# KiCad board SenseBarnacle.kicad_pcb (continued)
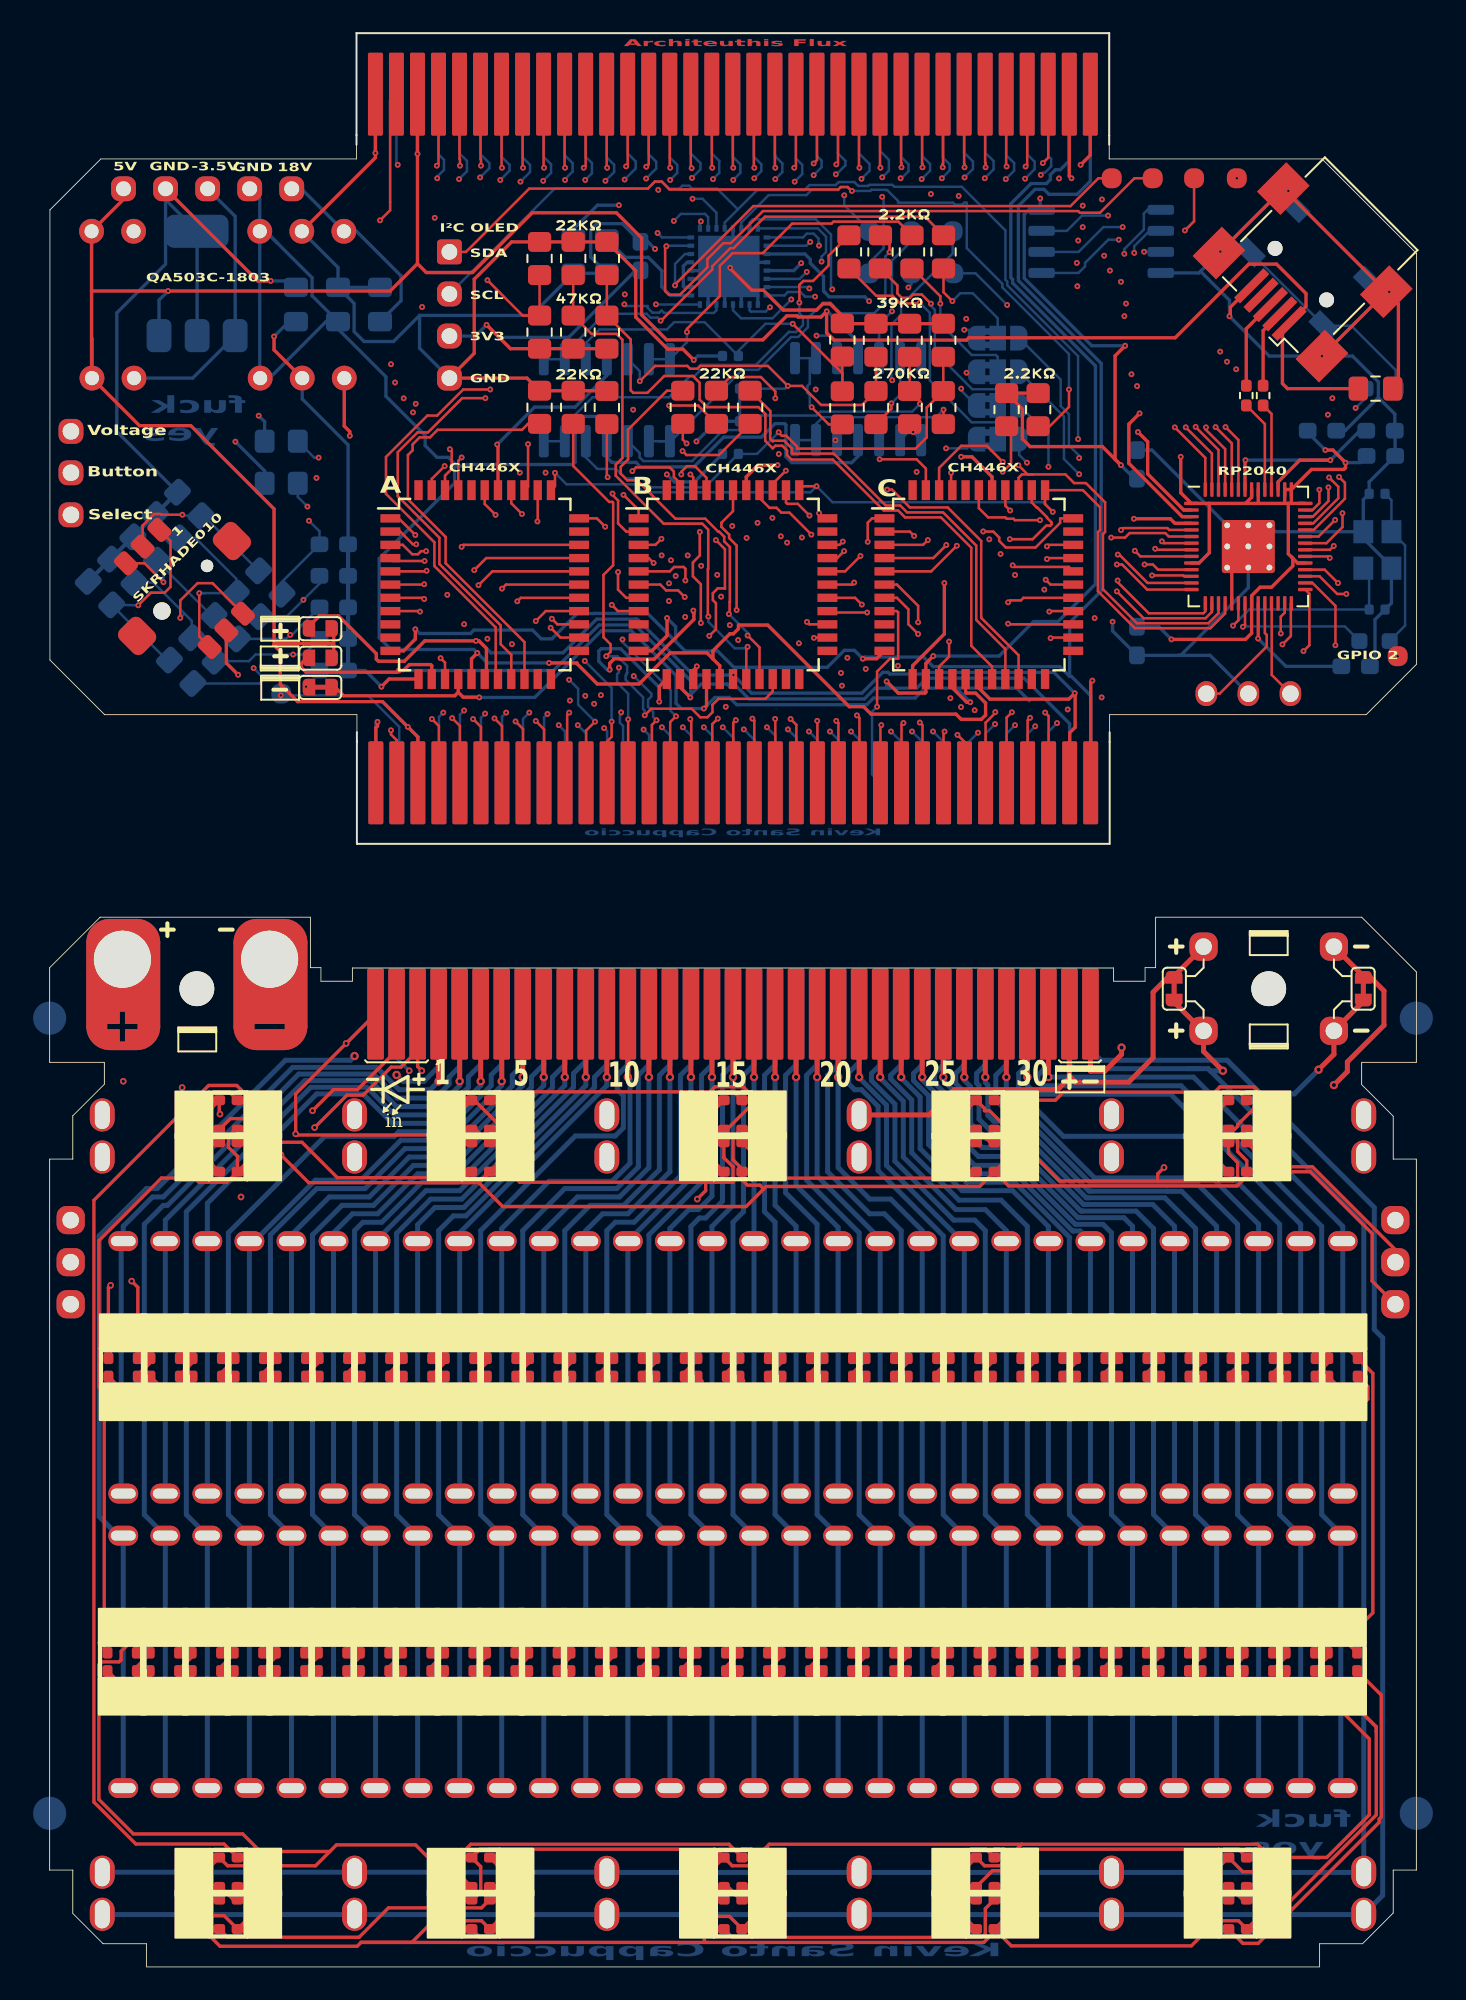
[diagram p0: board, top side]
## Routing (per net, layer and track width the routed paths; a pad name or vN(x,y) marks a point on that pad's centre or on a via; arc(x,y) is an arc through that point) (continued)
  In2.Cu w0.15: v3(36.98,74.84) 37.29,75.15 37.29,75.69 37.65,76.05 37.65,78.82 37.45,79.02 37.45,80.84 37.74,81.14 37.74,81.79 38.15,82.2 38.57,82.2 39.42,83.06 39.42,84.52 v3(39.35,84.59) 39.35,85 36.78,87.57 36.78,93.96 36.92,94.09 36.92,94.37 37.37,94.83 37.37,96.4 37.46,96.49 37.46,97.76 37.09,98.12 37.09,98.4 36.22,99.28 36.22,100.06 36.12,100.17 36.12,100.98 36.22,101.08 36.22,103.32 36.04,103.5 36.04,103.94 36.22,104.11 36.22,104.94 37.48,106.2 v3(37.48,107.88)
  Bottom w0.15: J6.12 37.46,109.26 37.45,109.25 37.91,108.8 37.91,108.31 v3(37.48,107.88) ; J7.12 37.48,74.34 v3(36.98,74.84)
43: length 67.8
  Top w0.15: U15.29 61.56,84.52 58.26,84.52 v3(58.17,84.62)
  In1.Cu w0.15: v3(58.17,84.62) 49.34,84.62 49.3,84.65 46.34,84.65 45.96,84.28 40.56,84.28 v3(40.32,84.04)
  In2.Cu w0.15: v3(38.79,108.01) 38.92,107.88 38.92,107.37 39.33,106.96 39.33,106.54 39.04,106.25 38.92,106.25 38.7,106.03 38.7,101.7 38.99,101.4 38.99,97.64 39.43,97.21 39.43,96.79 39.23,96.59 39.23,92.6 39.57,92.26 39.57,91.89 39.38,91.7 39.38,89.87 38.57,89.07 38.57,86.73 40.6,84.7 40.6,84.43 40.32,84.15 v3(40.32,84.04) 40.09,83.81 40.09,82.3 39.75,81.95 39.6,81.95 39.19,81.55 39.14,81.55 38.91,81.31 38.91,81.14 38.05,80.27 38.05,79.27 38.26,79.05 38.26,74.85 v3(38.24,74.84)
  Bottom w0.15: v3(38.24,74.84) 38.75,74.33 J7.13 ; J6.13 38.73,109.48 39.31,108.9 39.31,108.52 v3(38.79,108.01)
44: length 67.5
  Top w0.15: v3(60.16,83.75) 60.45,83.45 U15.28
  In1.Cu w0.15: v3(60.16,83.75) 60.03,83.62 59.75,83.62 59.26,83.12 46.15,83.12 45.69,82.67 41.11,82.67 41.05,82.72 40.8,82.72 40.68,82.84 40.67,82.84 v3(40.56,82.73)
  In2.Cu w0.15: v3(39.51,74.84) 39.66,74.99 39.66,75.44 39.73,75.44 40.04,75.75 40.04,76.19 39.96,76.27 39.96,77.18 39.87,77.27 39.87,78.03 39.54,78.35 39.54,79.95 39.34,80.15 39.34,80.55 39.66,80.86 39.76,80.86 40.29,81.39 40.29,82.07 40.56,82.34 v3(40.56,82.73) 40.57,82.73 40.57,83.42 40.86,83.71 40.86,84.13 40.79,84.2 40.9,84.31 40.9,84.82 39.53,86.2 39.98,86.65 39.98,91.45 40.17,91.64 40.17,92.55 39.98,92.74 39.98,93.58 40.03,93.63 40.03,94.4 39.88,94.55 39.88,96.4 40.03,96.55 40.03,97.48 39.7,97.81 39.7,98.06 39.79,98.16 39.79,98.31 39.59,98.51 39.59,101.65 39.3,101.95 39.3,103.38 39.61,103.68 39.61,104.39 40.14,104.93 40.14,105.84 39.81,106.17 39.93,106.29 39.93,107.2 39.79,107.34 39.79,107.66 v3(40.07,107.93)
  Bottom w0.15: v3(39.51,74.84) 40.02,74.33 J7.14 ; J6.14 40,109.48 40.45,109.03 40.45,108.31 v3(40.07,107.93)
45: length 67.7
  Top w0.15: v3(57.89,82.38) 58.01,82.5 58.66,82.5 58.82,82.65 U15.27
  In1.Cu w0.15: v3(57.89,82.38) 50.74,82.38 49.63,81.27 46.24,81.27 46.24,81.41 45.96,81.69 41.91,81.69 41.23,81.01 v3(41.08,81.01)
  In2.Cu w0.15: v3(40.66,74.84) 40.66,74.96 40.86,75.16 40.86,75.57 40.85,75.58 41.04,75.58 41.34,75.87 41.34,76.28 41.19,76.44 41.19,77.34 41.07,77.34 40.77,77.64 40.77,78.08 40.93,78.24 40.59,78.58 40.59,80.68 40.92,81.01 v3(41.08,81.01) 41.29,81.01 41.99,81.71 41.99,82.39 41.2,83.18 41.2,84.95 41.03,85.11 41.03,86.19 40.6,86.63 40.6,89.84 40.58,89.86 40.58,91.21 40.77,91.39 40.77,92.8 40.58,92.99 40.58,93.33 40.63,93.38 40.63,94.65 40.48,94.8 40.48,96.15 40.63,96.3 40.63,97.73 40.39,97.96 40.39,98.56 40.19,98.76 40.19,101.41 40.21,101.42 40.21,101.89 39.9,102.2 39.9,103.13 40.21,103.43 40.21,104.14 40.74,104.68 40.74,106.09 40.53,106.3 40.53,107.12 v3(41.29,107.88)
  Bottom w0.15: v3(40.66,74.84) 41.29,74.2 J7.15 ; J6.15 41.27,109.28 41.72,108.83 41.72,108.31 v3(41.29,107.88)
46: length 66.6
  Top w0.15: v3(60.38,81.82) 60.41,81.85 U15.26
  In1.Cu w0.15: v3(60.38,81.82) 50.82,81.82 49.7,80.71 42.54,80.71 42.36,80.88 41.98,80.88 41.59,80.49 v3(41.59,80.11)
  In2.Cu w0.15: v3(41.93,74.71) 41.81,74.83 41.81,74.93 41.94,75.06 41.94,77.34 42.12,77.52 42.12,77.64 42.13,77.65 42.13,78.33 41.59,78.87 v3(41.59,80.11) 41.59,80.45 42.59,81.46 42.59,82.63 41.8,83.43 41.8,85.2 41.65,85.35 41.65,86.7 41.73,86.78 41.73,87.2 41.2,87.72 41.2,90.08 41.18,90.11 41.18,90.96 41.37,91.14 41.37,93.05 41.23,93.18 41.23,94.9 41.08,95.04 41.08,95.9 41.23,96.05 41.23,97.98 40.99,98.21 40.99,98.81 40.79,99.01 40.79,101.16 40.81,101.17 40.81,102.14 40.5,102.44 40.5,102.88 40.81,103.18 40.81,103.89 41.34,104.43 41.34,106.34 41.16,106.52 41.16,106.58 v3(42.56,107.98)
  Bottom w0.15: v3(41.93,74.71) 42.56,74.08 J7.16 ; v3(42.56,107.98) 42.99,108.41 42.99,108.83 42.54,109.28 J6.16
47: length 71.3
  Top w0.15: v3(53.04,86.14) 52.76,85.85 U15.3
  In1.Cu w0.15: v3(43.32,74.84) 43.32,75.85 44.25,76.78 49.17,76.78 49.57,77.18 50.48,77.18 50.59,77.08 53.92,77.08 v3(54.41,76.6)
  In2.Cu w0.15: v3(43.83,107.93) 41.94,106.04 41.94,104.18 41.41,103.65 41.41,103.45 41.93,102.93 41.93,102.24 41.41,101.72 41.41,100.92 41.39,100.91 41.39,99.25 41.59,99.05 41.59,98.46 41.83,98.22 41.83,95.8 41.68,95.66 41.68,95.29 41.83,95.14 41.83,93.43 41.97,93.3 41.97,90.89 41.8,90.73 41.8,88.49 42.33,87.97 42.33,86.8 42.52,86.61 42.52,83.56 43.19,82.88 43.19,81.21 42.95,80.97 42.95,79.46 42.85,79.35 42.85,75.67 43.32,75.19 v3(43.32,74.84) ; v3(54.41,76.6) 54.41,76.8 54.74,77.14 54.74,79.3 55.13,79.68 55.13,84.06 v3(53.04,86.14)
  Bottom w0.15: v3(43.83,107.93) 44.26,108.36 44.26,108.88 43.83,109.31 43.83,109.36 43.81,109.38 J6.17 ; J7.17 43.83,74.33 v3(43.32,74.84)
48: length 72.5
  Top w0.15: v3(54.16,85.84) 53.37,85.05 U15.4
  In1.Cu w0.15: v3(44.59,74.71) 44.25,75.05 44.25,75.55 45.14,76.44 49.25,76.44 49.7,76.88 50.36,76.88 50.46,76.78 53.51,76.78 54.23,76.06 v3(55.05,76.06)
  In2.Cu w0.15: v3(55.05,76.06) 55.05,77.02 55.43,77.4 55.43,84.46 54.29,85.59 54.29,85.71 v3(54.16,85.84) ; v3(45,107.78) 42.54,105.32 42.54,103.93 42.15,103.55 42.53,103.17 42.53,101.99 42.01,101.47 42.01,100.67 41.99,100.66 41.99,99.5 42.19,99.3 42.19,98.71 42.43,98.47 42.43,95.4 42.43,95.39 42.43,93.68 42.57,93.55 42.57,90.65 42.4,90.48 42.4,88.74 43.23,87.92 43.23,86.95 43.13,86.85 43.13,83.8 43.79,83.13 43.79,80.96 43.55,80.72 43.55,79.21 43.45,79.1 43.45,77.75 44.3,76.9 44.3,75 v3(44.59,74.71)
  Bottom w0.15: v3(45,107.78) 45.46,108.24 45.46,108.8 45.08,109.18 J6.18 ; J7.18 45.1,74.2 v3(44.59,74.71)
49: length 73.9
  Top w0.15: U15.5 53.25,84.25 v3(54.79,85.8)
  In1.Cu w0.15: v3(45.86,74.58) 45.61,74.84 45.61,75.35 46.4,76.14 49.38,76.14 49.82,76.58 50.24,76.58 50.34,76.48 53.39,76.48 54.24,75.63 54.55,75.63 54.75,75.43 55.43,75.43 v3(55.87,75.87)
  In2.Cu w0.15: v3(55.87,75.87) 56.14,76.14 56.14,76.95 55.77,77.32 55.77,84.82 v3(54.79,85.8) ; v3(45.86,74.58) 45.86,76.18 44.05,78 44.05,78.85 44.15,78.96 44.15,80.48 44.39,80.72 44.39,83.38 43.73,84.05 43.73,86.6 43.86,86.73 43.86,87.04 44.2,87.38 44.2,87.8 43,88.99 43,90.23 43.17,90.4 43.17,93.79 43.03,93.93 43.03,95.64 43.03,95.64 43.03,98.72 42.79,98.95 42.79,99.55 42.59,99.75 42.59,100.41 42.88,100.7 42.61,100.97 42.61,101.22 43.13,101.74 43.13,103.67 43.14,103.68 43.14,104.76 46,107.62 46,108.03 v3(46.15,108.17)
  Bottom w0.15: v3(45.86,74.58) 46.37,74.08 J7.19 ; v3(46.15,108.17) 46.62,108.65 46.62,109.05 46.35,109.33 J6.19
50: length 57.9
  Top w0.15: v3(52.46,81.18) 52.46,82.17 51.17,83.45 U15.6
  In1.Cu w0.15: v3(52.46,81.18) 51.11,79.84 47.85,79.84 47.75,79.74 45.43,79.74 v3(45.25,79.91)
  In2.Cu w0.15: v3(47.13,74.58) 47.64,74.58 47.96,74.9 47.96,75.53 45.25,78.24 v3(45.25,79.91) 45.06,80.11 45.29,80.34 45.29,83.75 45.01,84.04 45.01,86.93 45.1,87.01 45.1,89.83 45.26,90 45.26,90.66 45.1,90.83 45.1,91.59 45.49,91.98 45.49,95.9 44.31,97.08 44.31,104.46 47.49,107.64 v3(47.49,108.22)
  Bottom w0.15: v3(47.49,108.22) 47.52,108.22 48.07,108.77 48.07,109.03 47.62,109.48 J6.20 ; v3(47.13,74.58) 47.64,74.08 J7.20
51: length 59.9
  Top w0.15: v3(52.46,80.47) 51.87,81.06 51.87,81.96 51.17,82.65 U15.7
  In1.Cu w0.15: v3(52.46,80.47) 50.72,78.73 49.66,78.73 v3(49.29,78.36)
  In2.Cu w0.15: 49.19,75.38 49.17,75.37 49.17,75.35 v3(48.4,74.58) ; 49.19,75.38 49.19,78.26 v3(49.29,78.36) ; 49.19,75.38 48.84,75.04 48.57,75.04 48.26,75.35 48.26,75.76 45.75,78.27 45.75,80.12 45.59,80.28 45.59,80.47 45.83,80.7 45.95,80.7 46.24,80.99 46.24,81.07 46.23,81.08 46.23,81.42 46.09,81.57 46.09,85.65 v3(45.44,86.3) 45.44,89.75 45.56,89.88 45.56,90.79 45.44,90.92 45.44,91.51 46.98,93.05 46.98,96.68 45.87,97.79 45.87,100.6 45.03,101.44 45.03,102.48 44.87,102.64 44.87,103.08 45.03,103.24 45.03,104.76 48.22,107.95 v3(49.04,107.95)
  Bottom w0.15: J6.21 48.89,109.48 49.52,108.85 49.52,108.44 v3(49.04,107.95) ; J7.21 48.91,74.08 v3(48.4,74.58)
52: length 80.4
  Top w0.15: U15.8 51.17,81.85 51.25,81.78 51.25,78.98 50.75,78.98 49.98,78.21 v3(49.98,76.08)
  In1.Cu w0.15: v3(63.56,106.71) 62.88,106.02 62.8,106.02 62.61,105.83 62.19,105.83 62,106.02 60.26,106.02 60.17,105.94 59.49,105.94 59.41,106.02 52.31,106.02 v3(50.29,108.04) ; v3(63.54,76.64) 63.27,76.37 61.7,76.37 61.11,76.96 56.95,76.96 56.37,76.38 56.37,75.66 56.08,75.37 55.79,75.37 55.56,75.13 54.62,75.13 54.42,75.33 54.12,75.33 53.36,76.08 v3(49.98,76.08)
  In2.Cu w0.15: v3(63.54,76.64) 63.7,76.8 63.7,83.38 62.44,84.64 62.44,88.86 63.09,89.51 63.09,89.9 62.93,90.05 62.93,91.48 62.98,91.53 62.98,91.88 62.94,91.93 62.94,99.2 61.58,100.56 61.58,103 61.68,103.1 61.68,105.05 62.46,105.83 62.69,105.83 v3(63.56,106.71)
  Bottom w0.15: J7.22 49.67,71.99 49.67,75.78 v3(49.98,76.08) ; v3(50.29,108.04) 50.69,108.44 50.69,109.1 50.16,109.64 J6.22
53: length 69.4
  Top w0.15: U15.25 57.93,81.05 v3(57.89,81.09)
  In1.Cu w0.15: v3(51.4,107.98) 53.04,106.34 58.63,106.34 58.78,106.49 59.34,106.49 59.39,106.44 59.42,106.44 59.62,106.24 60.05,106.24 60.32,106.51 62.22,106.51 v3(62.4,106.33) ; v3(51.24,78.55) 52.96,80.27 52.96,80.87 53.54,81.45 57.53,81.45 v3(57.89,81.09) 62.78,81.09 v3(63.12,81.43)
  In2.Cu w0.15: v3(62.4,106.33) 61.38,105.31 61.38,103.23 61.28,103.13 61.28,100.38 62.64,99.02 62.64,91.81 62.68,91.76 62.68,91.65 62.63,91.6 62.63,89.92 62.79,89.77 62.79,89.63 62.14,88.99 62.14,82.41 v3(63.12,81.43) ; v3(50.82,74.58) 51.13,74.9 51.13,78.45 v3(51.24,78.55)
  Bottom w0.15: v3(50.82,74.58) 51.45,73.95 J7.23 ; v3(51.4,107.98) 51.45,107.98 51.88,108.41 51.88,108.83 51.43,109.28 J6.23
54: length 63.5
  Top w0.15: v3(60.46,80.22) 60.5,80.25 U15.24
  In1.Cu w0.15: v3(61.49,75.92) 61.12,76.29 56.87,76.29 56.67,76.09 56.67,75.54 56.2,75.07 55.92,75.07 55.68,74.83 54.5,74.83 54.3,75.03 53.06,75.03 52.62,74.58 v3(52.09,74.58) ; v3(52.67,107.93) 53.13,107.47 60.47,107.47 v3(60.97,107.97)
  In2.Cu w0.15: v3(61.49,75.92) 61.49,76.34 60.8,77.02 60.8,77.27 60.98,77.45 60.98,79.7 v3(60.46,80.22) 61.14,80.9 61.14,89.46 60.98,89.62 60.98,90.88 60.28,91.59 60.28,105.83 60.42,105.97 60.42,106.19 60.66,106.42 60.66,107.11 60.42,107.34 60.42,107.43 v3(60.97,107.97)
  Bottom w0.15: v3(52.67,107.93) 53.18,108.44 53.18,108.85 52.7,109.33 J6.24 ; J7.24 52.72,73.95 v3(52.09,74.58)
55: length 50.4
  Top w0.15: U15.1 49.67,87.45 49.41,87.19 v3(49.41,86.04)
  In2.Cu w0.15: v3(53.89,107.98) 53.84,107.98 53.41,107.56 53.01,107.56 49.41,103.96 49.41,101.22 48.97,100.78 48.97,100.35 49.28,100.04 49.39,100.04 49.41,100.02 v3(49.41,86.04) 49.77,85.68 49.77,83.57 48.63,82.43 48.63,82.07 48.64,82.06 48.64,81.46 50.37,79.74 51.63,79.74 52.28,79.09 52.28,78.77 53.01,78.04 53.01,74.93 v3(53.36,74.58)
  Bottom w0.15: J6.25 53.94,113.04 53.94,109.25 54.37,108.82 54.37,108.46 v3(53.89,107.98) ; v3(53.36,74.58) 53.99,73.95 J7.25
56: length 59.5
  Top w0.15: v3(52.21,86.39) 51.95,86.65 U15.2
  In2.Cu w0.15: v3(52.21,86.39) 52.21,82.83 54.83,80.22 54.83,79.81 53.91,78.89 53.91,76.27 55.67,74.51 v3(56.07,74.51) 56.44,74.88 56.44,77.14 56.11,77.47 56.11,85.2 55.62,85.68 55.62,95.78 55.84,96 55.84,99.67 55.59,99.92 55.59,107.71 v3(55.26,108.04)
  Bottom w0.15: v3(56.07,74.51) 55.26,73.7 J7.26 ; v3(55.26,108.04) 55.77,108.54 55.77,109 55.24,109.53 J6.26
57: length 51.1
  Top w0.15: U15.33 61.06,87.45 61.04,87.43 61.04,87.18 59.55,85.69 57.75,85.69 57.35,86.09 57.35,86.3 57,86.65 56.4,86.65 v3(56.39,86.66)
  In2.Cu w0.15: 56.99,75.02 57.09,75.02 v3(57.1,75.03) 57.62,75.55 57.62,76.81 56.79,77.64 56.79,85.51 57.26,85.98 57.26,86.39 56.99,86.66 v3(56.39,86.66) 56.22,86.83 56.22,95.53 56.48,95.79 56.48,96.7 56.44,96.75 56.44,99.92 56.22,100.14 56.22,107.65 56.48,107.92 v3(56.48,107.98)
  Bottom w0.15: J7.27 56.53,74.46 v3(57.1,75.03) ; v3(56.48,107.98) 57.01,108.52 57.01,109.03 56.51,109.53 J6.27
58: length 49.7
  Top w0.15: v3(58,86.19) 59.37,86.19 60.19,87.01 60.44,87.01 60.52,87.09 60.52,87.21 60.24,87.49 60.24,87.52 59.65,88.11 59.61,88.11 59.32,88.4 U15.35
  In2.Cu w0.15: v3(57.75,107.93) 56.82,107 56.82,100.39 57.08,100.12 57.08,95.54 56.82,95.28 56.82,87.97 58,86.79 v3(58,86.19) 58,85.12 57.96,85.12 57.67,84.82 57.67,84.6 57.39,84.32 57.39,79.35 58.42,78.32 58.42,76.15 58.62,75.95 58.62,75.28 v3(58.31,74.96)
  Bottom w0.15: v3(57.75,107.93) 58.26,108.44 58.26,108.9 57.78,109.38 J6.28 ; J7.28 57.8,74.46 v3(58.31,74.96)
59: length 44.7
  Top w0.15: U15.37 57.72,88.22 v3(58.01,87.93)
  In2.Cu w0.15: v3(59.53,74.9) 59.7,75.07 59.7,76.66 59.08,77.28 59.08,86.86 v3(58.01,87.93) 58.01,99.83 58.92,100.74 v3(58.92,107.96)
  Bottom w0.15: J7.29 59.07,74.44 v3(59.53,74.9) ; J6.29 59.05,109.43 59.5,108.98 59.5,108.54 v3(58.92,107.96)
60: length 48.9
  Top w0.15: v3(59.82,87.34) 58.3,87.34 58.22,87.43 57.81,87.43 57.72,87.51 56.68,87.51 56.12,88.07 U15.39
  In2.Cu w0.15: v3(59.87,108.19) 60.12,107.93 60.12,107.22 60.36,106.98 60.36,106.55 60.12,106.31 60.12,106.1 59.83,105.8 59.83,90.36 59.93,90.26 59.93,87.46 v3(59.82,87.34) 60.79,86.37 60.79,82.38 60.84,82.33 60.84,81.2 59.96,80.32 59.96,79.79 60.5,79.25 60.5,76.9 60.85,76.55 v3(60.85,75.09)
  Bottom w0.15: J6.30 60.32,109.33 60.49,109.15 60.49,108.7 60.12,108.33 60,108.33 v3(59.87,108.19) ; v3(60.85,75.09) 60.34,74.58 J7.30
/QSPI_SCLK: length 24.6
  Top w0.15: U9.52 71.4,91.99 v3(70.43,92.96)
  In2.Cu w0.15: v3(70.43,92.96) 70.43,93.17 69.9,93.69 69.9,100.78 65.65,105.04 v3(64.81,105.04)
  Bottom w0.15: v3(64.81,105.04) 63.64,105.04 62.15,103.54 U8.6
/QSPI_SD0: length 24.2
  Top w0.15: v3(69.84,92.95) 69.84,92.8 71,91.64 U9.53
  In2.Cu w0.15: v3(64.58,104.28) 65.98,104.28 69.55,100.71 69.55,93.25 69.84,92.96 v3(69.84,92.95)
  Bottom w0.15: U8.5 62.14,102.27 62.54,102.67 62.54,102.87 63.94,104.28 v3(64.58,104.28)
/QSPI_SD1: length 18.6
  Top w0.15: v3(68.62,92.95) 70.2,91.37 U9.55
  In2.Cu w0.15: v3(65.51,103.48) 68.62,100.37 v3(68.62,92.95)
  Bottom w0.15: U8.2 66.44,104.81 65.51,103.88 v3(65.51,103.48)
/QSPI_SD2: length 17.2
  Top w0.15: U9.54 70.6,91.59 69.22,92.97 v3(69.22,92.98)
  In2.Cu w0.15: v3(69.22,92.98) 69.22,100.44 v3(66.11,103.55)
  Bottom w0.15: v3(66.11,103.55) 66.12,103.54 U8.3
/QSPI_SD3: length 25
  Top w0.15: U9.51 71.8,92.19 v3(71.02,92.96)
  In2.Cu w0.15: v3(71.02,92.96) 70.93,93.06 70.93,93.19 70.2,93.91 70.2,100.91 65.38,105.73 v3(63.93,105.73)
  Bottom w0.15: U8.7 61.44,104.81 62.36,105.73 v3(63.93,105.73)
/QSPI_SS: length 33.4
  Top w0.15: v3(67.96,92.95) 69.8,91.11 U9.56
  In1.Cu w0.15: v3(78.88,94.12) 78.79,94.21 68.94,94.21 67.96,93.23 v3(67.96,92.95)
  In2.Cu w0.15: v3(67.96,92.95) 68.01,93 68.01,100.33 v3(64.91,103.43)
  Bottom w0.15: v3(64.91,103.43) 64.91,103.71 66.09,104.89 66.09,105.85 66.32,106.08 U8.1 ; R4.1 79.48,94.71 v3(78.88,94.12)
/SWCLK: length 7.5
  Top w0.15: J2.1 70.67,76.87 73.52,79.72 73.52,80.41 73.4,80.53 U9.24
/SWD: length 5.9
  Top w0.15: U9.25 73.82,82.3 73.82,78 J2.3
/USB_D+: length 5.5
  Top w0.2: R1.1 72.28,98.9 J1.3
/USB_D-: length 4.7
  Top w0.2: J1.2 73.29,98.79 R2.1
/XIN: length 12.7
  Top w0.15: v3(71.48,80.97) 71.8,81.3 U9.20
  Bottom w0.15: Y1.1 79.7,84.09 C6.1 72.45,81.95 v3(71.48,80.97)
/XOUT: length 8.9
  Top w0.15: v3(72.08,80.91) 72.2,81.03 U9.21
  Bottom w0.15: v3(72.08,80.91) 72.09,80.93 78.23,80.93 R7.1
/~{USB_BOOT}: length 13.1
  Bottom w0.15: SW1.2 SW1.2 72.52,103.66 ; SW1.2 78.62,99.08 81.3,96.4 R4.2 ; SW1.2 76.97,99.21
ADC_0: length 23.7
  In1.Cu w0.15: v3(55.24,98.84) 50.29,98.84 50.11,98.66 46.79,98.66 46.54,98.91 46.05,98.91 46.05,98.83 45.98,98.76 45.98,98.74 45.34,98.1 44.42,98.1 43.98,98.54 43.45,98.54 41.62,100.37 v3(36.62,100.37)
  Bottom w0.15: U6.16 36.63,100.36 v3(36.62,100.37) ; v3(55.24,98.84) 55.46,98.84 JP5.1
ADC_0_RP: length 29.8
  Top w0.15: U9.38 76.35,86.75 78.24,88.64 78.24,89.6 v3(77.88,89.95)
  In1.Cu w0.15: v3(77.88,89.95) 77.39,90.44 65.23,90.44 64.93,90.14 63.14,90.14 v3(62.18,91.1)
  Bottom w0.15: JP5.3 61.07,95.83 61.07,94.23 61.56,93.74 61.56,91.86 62.18,91.24 v3(62.18,91.1)
ADC_1: length 36
  In1.Cu w0.15: v3(35.25,94.01) 35.45,93.82 37.57,93.82 37.96,94.2 44.67,94.2 45.14,93.74 51.54,93.74 51.66,93.86 52.97,93.86 53.94,94.83 55.2,94.83 55.51,95.14 55.51,96.11 v3(55.38,96.25)
  In2.Cu w0.15: v3(35.25,94.01) 34.89,94.37 34.89,100.2 v3(34.71,100.37)
  Bottom w0.15: U6.14 40.27,100.01 40.12,99.86 37.11,99.86 36.96,100.01 36.82,99.87 36.41,99.87 36.12,100.17 36.12,100.27 34.82,100.27 v3(34.71,100.37) ; JP4.1 55.43,96.3 v3(55.38,96.25)
ADC_1_RP: length 27.7
  Top w0.15: U9.39 76.32,87.15 77.83,88.67 77.83,89.37 v3(77.28,89.92)
  In1.Cu w0.15: v3(62.18,90.12) 62.51,89.79 64.59,89.79 64.7,89.68 65,89.68 65.2,89.48 65.64,89.48 65.95,89.78 65.95,90.09 77.11,90.09 v3(77.28,89.92)
  Bottom w0.15: v3(62.18,90.12) 61.26,91.04 61.26,93.6 JP4.3
ADC_2: length 20.9
  In1.Cu w0.15: v3(55.06,95.28) 54.45,95.28 54.4,95.23 v3(46.27,95.23)
  In2.Cu w0.15: v3(46.27,95.23) 46.27,96.96 45.51,97.72 45.51,99.49 45.5,99.51 45.5,99.62 45.21,99.91 45.09,99.91 44.8,100.21 v3(44.8,100.67)
  Bottom w0.15: v3(55.06,95.28) 55.06,95.17 JP3.1 ; U6.12 41.27,100.01 41.75,99.53 43.66,99.53 v3(44.8,100.67)
ADC_2_RP: length 24.9
  Top w0.15: v3(77.24,89.32) 77.24,88.5 76.3,87.55 U9.40
  In1.Cu w0.15: v3(77.24,89.32) 76.9,89.66 66.25,89.66 65.76,89.18 65.08,89.18 64.88,89.38 64.57,89.38 64.46,89.49 62.2,89.49 61.12,90.57 v3(60.33,90.57)
  Bottom w0.15: v3(60.33,90.57) 60.33,92.5 JP3.3
ADC_3: length 23.6
  In1.Cu w0.15: v3(54.14,91.68) 49.68,91.68 49.16,91.17 44.21,91.17 v3(44.04,91.34)
  In2.Cu w0.15: v3(44.04,91.34) 44.43,91.73 44.43,94.95 44.09,95.3 44.09,95.44 43.63,95.9 43.63,100.07 v3(43.51,100.19)
  Bottom w0.15: U6.10 42.27,100.01 42.35,99.94 43.25,99.94 v3(43.51,100.19) ; v3(54.14,91.68) 55.4,91.68 JP2#2.1
ADC_3_RP: length 22
  Top w0.15: U9.41 76.28,87.95 76.69,88.37 v3(76.69,89.18)
  In1.Cu w0.15: v3(59.03,90.81) 60.55,89.29 61.97,89.29 62.08,89.18 64.34,89.18 64.45,89.08 64.75,89.08 64.96,88.88 65.89,88.88 66.19,89.18 v3(76.69,89.18)
  Bottom w0.15: v3(59.03,90.81) 58.56,91.28 JP2#2.3
AOUT1L: length 42.7
  Top w0.15: v3(37.77,101.52) 37.77,101.58 42.5,106.3 61.66,106.3 63.34,107.98 TP4.1 ; v3(38.47,91.97) 38.24,92.2 R23.2
  In2.Cu w0.15: v3(37.77,101.52) 37.99,101.3 37.99,98.49 38.47,98.02 v3(38.47,91.97)
  Bottom w0.15: U6.22 38.38,103.41 37.77,102.81 v3(37.77,101.52)
AOUT1R: length 50.6
  Top w0.15: TP3.1 65.52,107.98 63.44,105.9 62.23,105.9 62.13,106 43.08,106 41.15,104.06 40.69,104.06 39.73,103.1 39.73,102.61 38.07,100.96 37.4,100.96 37.18,101.18 37.18,103.81 v3(37.25,103.88) ; v3(37.42,94.26) 39.17,94.26 R22.2
  In2.Cu w0.15: v3(37.25,103.88) 37.03,103.66 37.03,100.93 37.39,100.57 37.39,98.25 37.76,97.88 37.76,96.36 37.67,96.28 37.67,95.41 37.72,95.36 37.72,94.57 v3(37.42,94.26)
  Bottom w0.15: U6.23 37.28,103.91 v3(37.25,103.88)
AOUT2L: length 68.6
  Top w0.15: v3(38.23,91.52) 38.47,91.28 40.43,91.28 R24.2 ; v3(68.57,104.84) 69.13,105.39 TP2.1
  In1.Cu w0.15: v3(68.57,104.84) 68.57,99.45 68.33,99.21 56.27,99.21 55.45,100.03 55.15,100.03 54.64,99.52 52.19,99.52 51.05,100.66 50.63,100.66 50.32,100.34 50.32,100.06 49.75,99.5 46.8,99.5 46.75,99.55 45.79,99.55 45.45,99.2 45.45,99.08 45.07,98.7 44.67,98.7 44.23,99.14 43.96,99.14 41.55,101.55 41.55,102.88 41.24,103.19 40.81,103.19 40.5,102.88 40.5,102.6 40.24,102.34 39.49,102.34 37.14,104.68 v3(36.72,104.68)
  In2.Cu w0.15: v3(38.23,91.52) 37.88,91.87 37.88,92.08 38.02,92.23 38.02,96.2 38.08,96.25 38.08,97.99 37.69,98.37 37.69,100.69 37.33,101.06 37.33,103.26 37.75,103.68 37.75,104.09 37.16,104.68 v3(36.72,104.68)
  Bottom w0.15: U6.24 36.99,104.41 v3(36.72,104.68)
AOUT2R: length 34.1
  In1.Cu w0.15: v3(39.33,105.38) 39.55,105.61 47.75,105.61 47.86,105.72 48.09,105.72 48.28,105.53 62.73,105.53 62.92,105.72 63.21,105.72 65.47,107.98 v3(71.71,107.98)
  Bottom w0.15: U6.25 39.28,105.33 v3(39.33,105.38)
BICK: length 42.4
  Top w0.15: U9.11 66.95,84.35 66.64,84.67 v3(66.13,84.67)
  In1.Cu w0.15: v3(65.01,100.42) 64.5,100.93 54.87,100.93 54.73,101.07 54.32,101.07 54.18,100.93 51.63,100.93 51.3,101.26 50.38,101.26 50.18,101.06 48.06,101.06 47.63,100.64 47.42,100.64 47.28,100.78 47.08,100.78 46.52,101.33 v3(45.89,101.33)
  In2.Cu w0.15: v3(65.01,100.42) 66.66,98.77 66.66,93.56 66.54,93.44 66.54,92.28 66.55,92.27 66.55,87.32 66.05,86.82 66.05,84.75 v3(66.13,84.67)
  Bottom w0.15: U6.7 43.33,101.42 45.8,101.42 v3(45.89,101.33)
BOTTOM_RAIL_NEG: length 100.5
  Top w0.2: v3(37.29,81.43) 37.29,80.37 36.38,79.45 U14.11 ; v3(22.09,80.76) 22.09,80.16 21.38,79.45 U13.11 ; v3(49.11,78.98) 49.95,78.98 U15.11
  Bottom w0.2: 61.61,77.91 61.61,81.16 63.52,83.07 63.52,96.8 58.52,101.8 58.52,102.02 58.51,102.03 58.51,106.31 59.52,107.32 60.06,107.32 60.36,107.02 62.07,107.02 62.86,107.81 J6.62 ; 61.61,77.91 61.02,78.5 53.36,78.5 52.79,79.08 49.22,79.08 v3(49.11,78.98) 48.61,79.49 48,79.49 46.97,78.46 41.33,78.46 40.35,79.44 38.39,79.44 37.81,80.02 ; 61.61,77.91 61.71,77.91 62.88,76.74 J7.62 ; 37.81,80.02 37.81,80.91 v3(37.29,81.43) ; 37.81,80.02 36.13,81.7 35.58,81.7 35.57,81.72 32.89,81.72 32.88,81.7 31.86,81.7 30.33,80.18 29.69,80.18 29.17,80.71 25.62,80.71 25.42,80.5 22.34,80.5 v3(22.09,80.76)
BOTTOM_RAIL_POS: length 112
  Top w0.2: JP6.1 15.2,78.69 15.2,78.45 15.48,78.17 20.99,78.17 v3(21.09,78.27) 21.36,78.27 21.72,78.62 23.01,78.62 23.08,78.55 U13.13 ; v3(38.7,76.64) 38.08,77.26 U14.13 ; v3(53.37,79.14) 52.92,78.69 U15.13 52.92,76.95 52.87,76.9 51.26,76.9 v3(50.55,77.61)
  Bottom w0.2: 50.69,77.2 49.86,77.2 49.21,76.55 42.25,76.55 41.49,77.31 41.06,77.31 40.93,77.45 39.35,77.45 38.73,76.82 ; 50.69,77.2 52.38,77.2 52.98,77.8 58.86,77.8 61.61,75.05 J7.61 ; 50.69,77.2 50.55,77.34 v3(50.55,77.61) ; 38.73,76.82 38.73,77.64 35.36,81 35.29,81 35.28,81.02 33.18,81.02 30.43,78.27 v3(21.09,78.27) ; 38.73,76.82 38.7,76.79 v3(38.7,76.64) ; v3(53.37,79.14) 57.35,79.14 59.43,81.22 60.91,81.22 63.17,83.48 63.17,96.66 58.17,101.66 58.17,101.88 58.05,101.99 58.05,106.44 59.28,107.67 60.21,107.67 60.44,107.9 60.44,108.19 60.75,108.5 61.05,108.5 61.59,109.04 J6.61
Button_Probe: length 17
  In1.Cu w0.15: v3(16.25,91.12) 15.33,90.2 TP7.1
  Bottom w0.15: R28.2 15.98,91.12 v3(16.25,91.12)
CAD/CSN: length 51.8
  Top w0.15: U9.7 67.29,85.95 v3(67.18,86.06)
  In1.Cu w0.15: v3(38.83,106.75) 38.83,104.7 39.4,104.14 41.64,104.14 42.09,103.69 45.74,103.69 45.97,103.46 50.09,103.46 50.52,103.02 50.94,103.02 51.23,103.32 63.69,103.32 v3(63.69,103.31)
  In2.Cu w0.15: v3(67.18,86.06) 67.56,86.44 67.56,92.53 67.44,92.65 67.44,93.07 67.56,93.19 67.56,100.16 64.4,103.31 v3(63.69,103.31)
  Bottom w0.15: U6.27 40.27,105.9 39.43,106.75 v3(38.83,106.75)
CLK: length 53.6
  Top w0.15: U14.34 45.51,89.39 v3(46.32,89.39) ; v3(60.59,87.85) 60.12,88.31 U15.34 62.41,89.15 63.45,88.11 63.45,86.76 63.32,86.62 63.32,83.05 65.55,80.82 70.11,80.82 71,81.71 U9.18 ; U13.34 30.52,89.4 v3(30.52,90.2)
  Bottom w0.15: v3(30.52,90.2) 31.22,89.51 35.37,89.51 35.85,89.03 45.96,89.03 v3(46.32,89.39) 47.29,88.43 60.01,88.43 v3(60.59,87.85)
CS_A: length 59.4
  Top w0.15: v3(74.36,80.5) 74.36,81.52 74.6,81.76 U9.27 ; v3(23.61,79.01) 23.88,78.74 U13.14
  In1.Cu w0.15: v3(23.61,79.01) 24.07,78.56 27.98,78.56 29.05,79.63 33.83,79.63 34.29,79.17 34.8,79.17 35.04,79.42 39.31,79.42 39.73,78.99 40.78,78.99 40.83,79.04 41.76,79.04 41.89,78.9 42.49,78.9 42.95,79.37 47.81,79.37 47.98,79.54 48.39,79.54 48.68,79.24 48.68,78.37 49.2,77.86 49.5,77.86 50.07,78.43 50.75,78.43 51.21,77.98 51.37,77.98 51.66,78.27 51.66,78.54 53.26,80.14 53.26,80.69 53.72,81.15 54.32,81.15 54.83,80.64 71.11,80.64 71.27,80.47 72.5,80.47 72.73,80.7 74.16,80.7 v3(74.36,80.5)
CS_B: length 42.6
  Top w0.15: U14.14 38.88,78.31 v3(39.09,78.52) ; U9.28 74.97,82.29 74.97,80.35 v3(74.46,79.84)
  In1.Cu w0.15: v3(74.46,79.84) 74.26,79.64 55.41,79.64 54.2,80.85 53.84,80.85 53.56,80.56 53.56,80.01 51.96,78.42 51.96,78.15 51.49,77.68 51.08,77.68 50.63,78.13 50.3,78.13 49.72,77.56 49.06,77.56 47.88,78.74 43.17,78.74 42.73,78.3 41.65,78.3 41.51,78.44 41.07,78.44 40.94,78.3 39.31,78.3 v3(39.09,78.52)
CS_C: length 28.5
  Top w0.15: v3(54.33,80.01) 54.33,79.11 53.72,78.5 U15.14 ; U9.29 76.09,82.9 76.09,79.79 v3(75.73,79.44)
  In1.Cu w0.15: v3(75.73,79.44) 75.33,79.03 55.31,79.03 v3(54.33,80.01)
DATA: length 57.7
  Top w0.15: 59.38,90.1 59.07,90.1 v3(58.51,90.66) ; 59.38,90.1 58.72,90.1 58.52,89.9 U15.36 ; 59.38,90.1 61.36,90.1 61.88,89.58 62.59,89.58 63.75,88.42 63.75,86.63 63.62,86.5 63.62,83.18 65.67,81.12 69.99,81.12 70.6,81.73 U9.17 ; U13.36 28.9,89.37 v3(28.9,91.93) ; v3(44.46,90.33) 43.68,89.54 U14.36
  In1.Cu w0.15: v3(28.9,91.93) 36.8,91.93 38.19,90.54 43.04,90.54 43.52,90.06 43.94,90.06 44.21,90.33 v3(44.46,90.33) 44.69,90.56 50.38,90.56 50.53,90.71 54.6,90.71 55.54,89.77 57.77,89.77 58.51,90.51 v3(58.51,90.66)
